# KiCad board UFC_Main.kicad_pcb (continued)
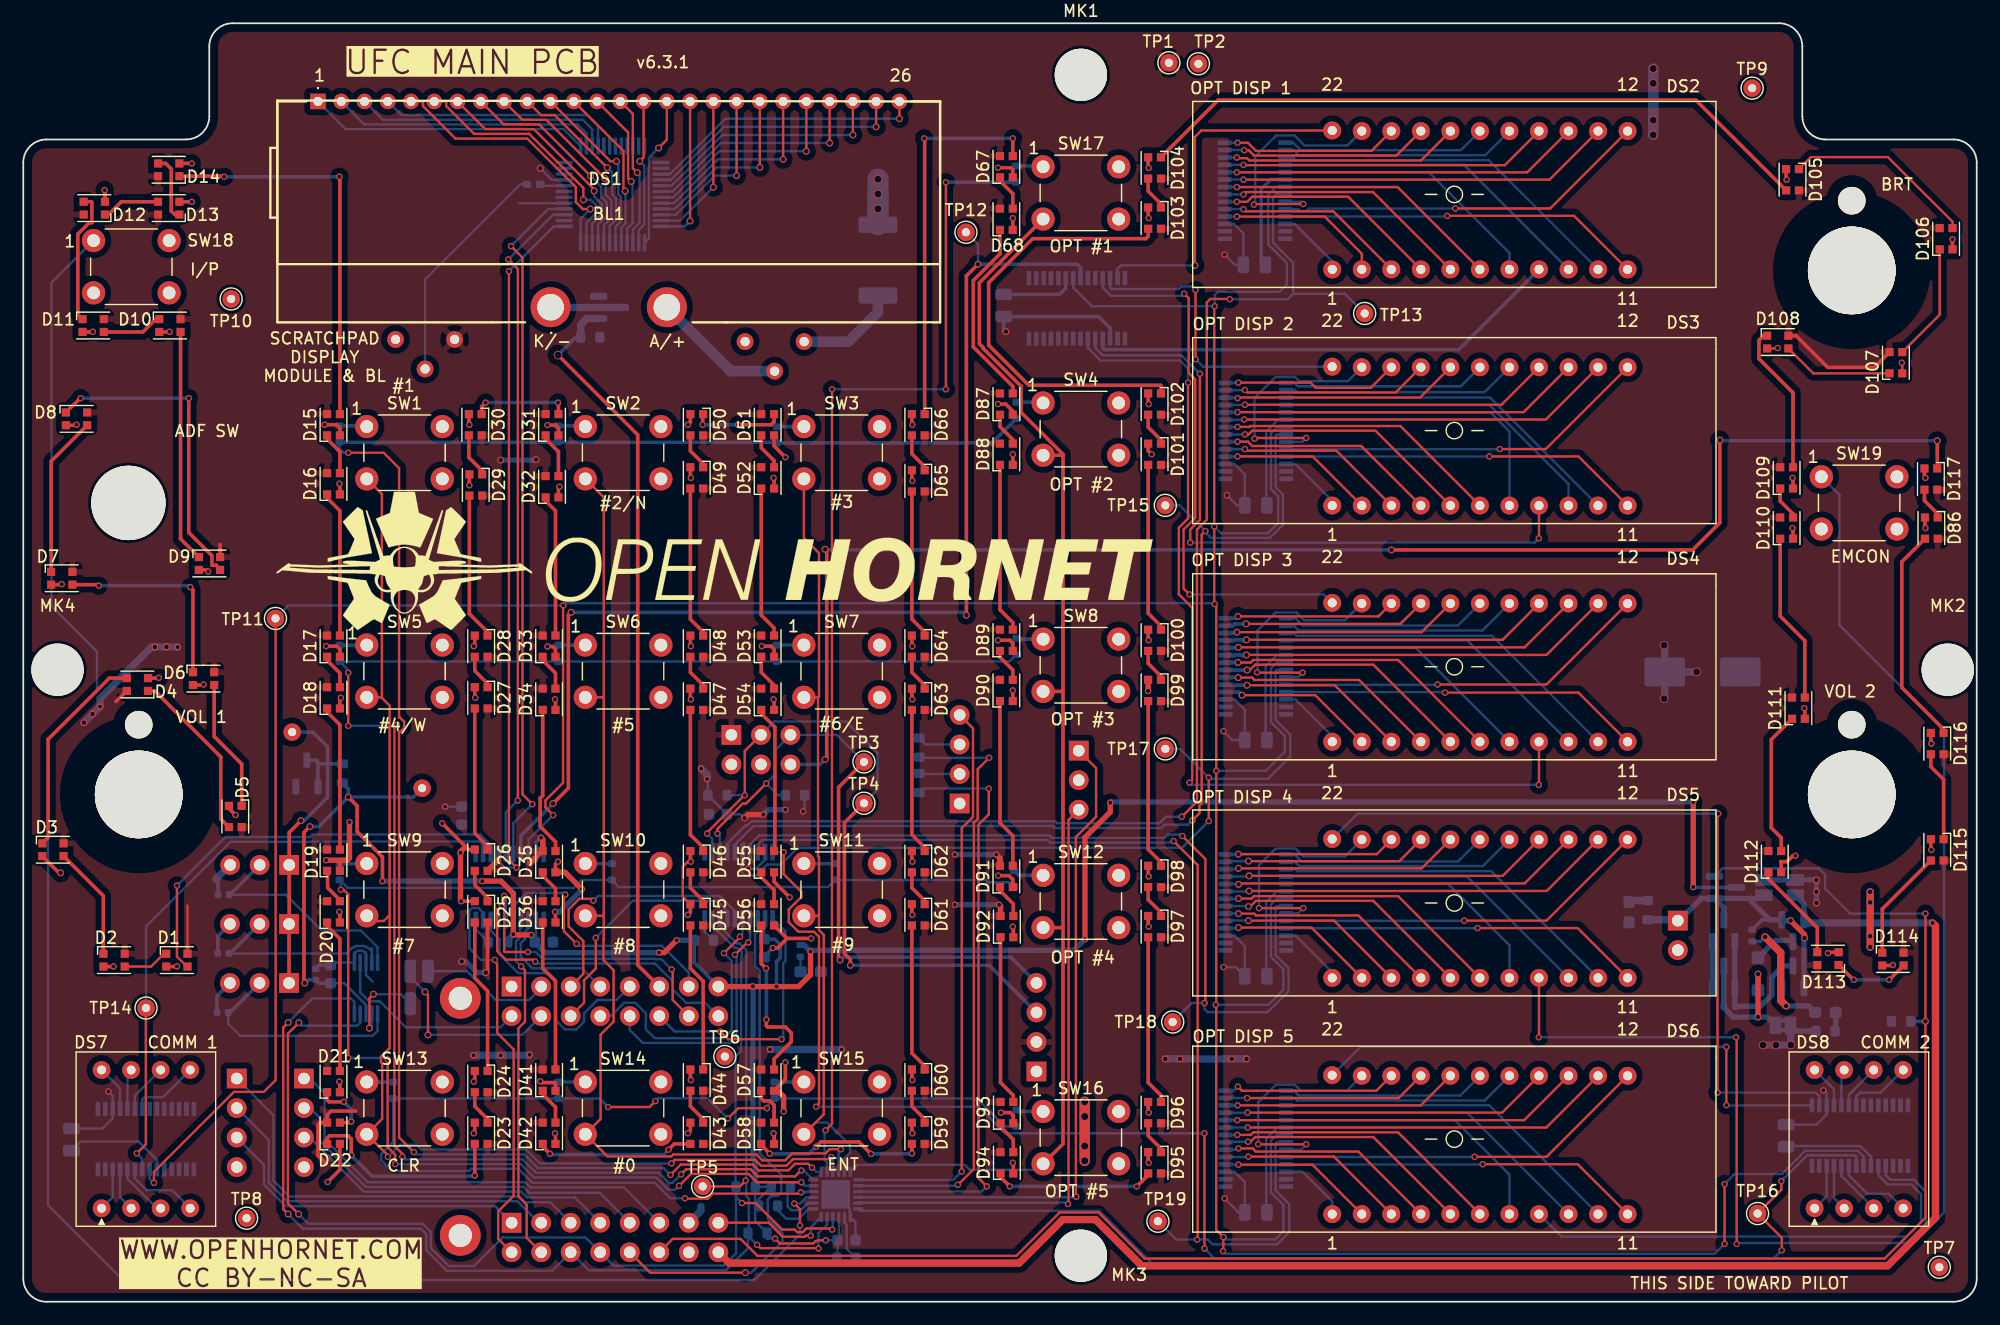
[diagram p0: board, top side]
## Text on the board (continued)
B.Silkscreen: GND | NOGO_LED | SCL | SDA | +5V | SW | v${REVISION} | SCRATCHPAD / MAX CONT / ADJUST | SCRATCHPAD / MAX BRT / ADJUST | BIT_SW | GO_LED | JLCJLCJLCJLC | RUNS ON 5V AND PURE SPITE | THIS SIDE TOWARD ENEMY | ANALOG | +2V5 | EXT PWR / STATUS | IRQ | AP KB | ~{BL} | EXT / PWR | SEE PCB / SCHEMATIC / FOR ALT / PWR CONFIG / OF JP1 / THRU JP3 | +5V STATUS | ADF2 | ADF1 | WWW.OPENHORNET.COM / CC BY-NC-SA | +3.3V / STATUS | - | + | UFC MAIN PCB
F.Silkscreen: 1 | K/- | A/+ | 26 | COMM 1 | VOL 1 | I/P | ADF SW | SCRATCHPAD / DISPLAY / MODULE & BL | #4/W | #1 | #7 | CLR | #2/N | #5 | #8 | #0 | v${REVISION} | #3 | #6/E | #9 | ENT | OPT #5 | OPT #1 | OPT #2 | OPT #3 | OPT #4 | OPT DISP 1 | OPT DISP 3 | OPT DISP 4 | OPT DISP 2 | OPT DISP 5 | VOL 2 | EMCON | COMM 2 | BRT | THIS SIDE TOWARD PILOT | WWW.OPENHORNET.COM / CC BY-NC-SA | UFC MAIN PCB
